# KiCad board dilemma.kicad_pcb (continued)
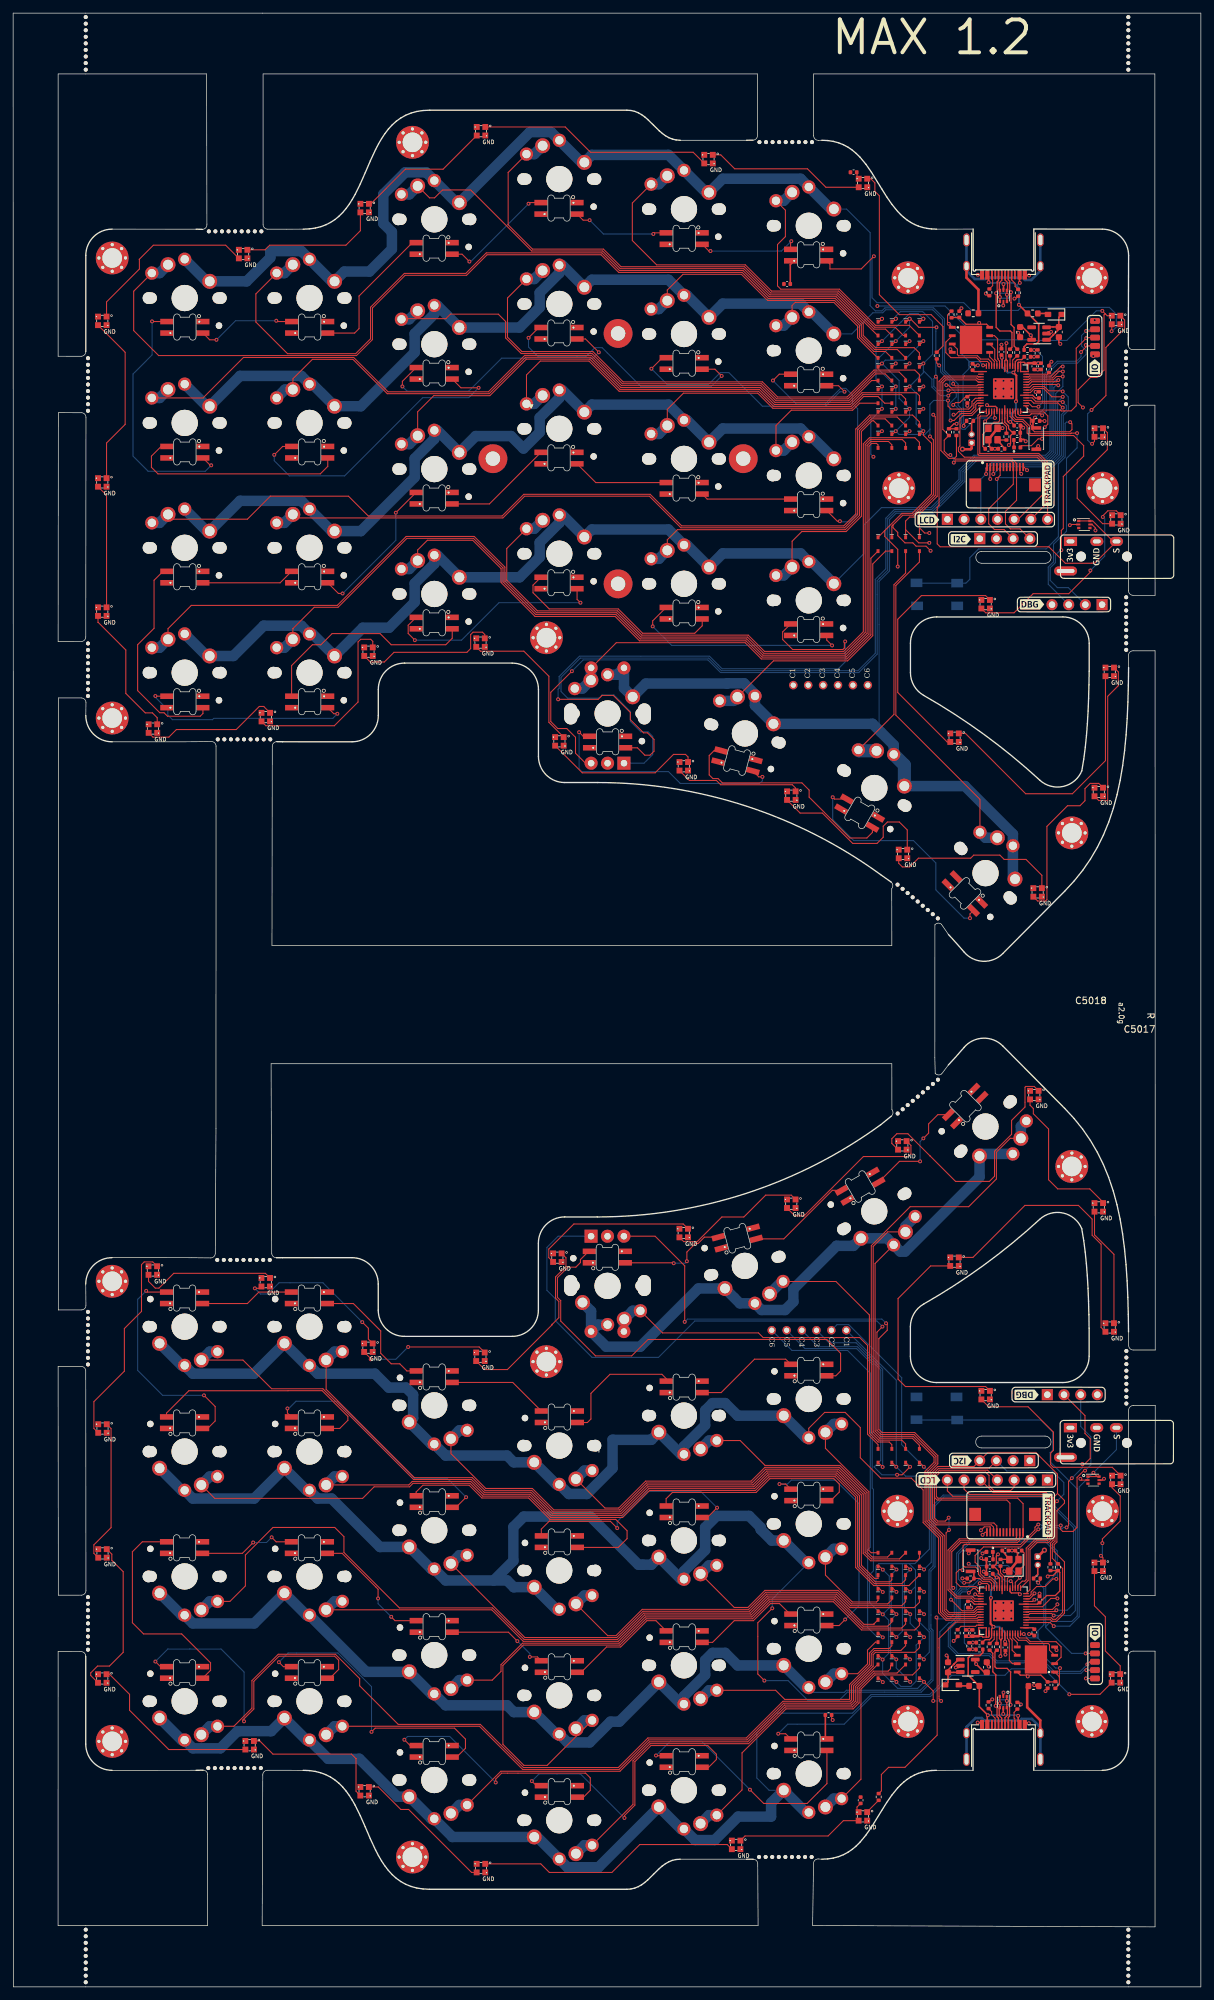
[diagram p0: board, top side]
## Routing (per net, layer and track width the routed paths; a pad name or vN(x,y) marks a point on that pad's centre or on a via; arc(x,y) is an arc through that point) (continued)
  Bottom w2: SW119.1 135.66,185.89 SW119.1
  vias: v1(159.77,245.02)
M_ROW1_L: length 164.4
  Top w0.16: SW5009.1 131.2,110.06 131.2,84.57 132.01,83.76 136.99,83.76 140.18,80.58 140.18,79.81 138.81,78.44 138.81,70.76 141.15,68.42 141.15,57.04 142.12,56.07 146.71,56.07 146.88,56.23 U5002.38
  Bottom w1.6: SW5013.1 89.02,100.76 SW5020.S2 ; SW5042.1 147.42,126.73 SW5042.1 147.1,123.22 135.75,111.87 135.04,111.87 SW5009.1 133.02,113.89 SW5009.1 127.91,112.75 125.34,112.75 118.77,106.18 118.77,104.25 117.5,102.98 113.92,102.98 SW5005.1 110.62,104 SW5005.1 104.3,106.26 95.45,97.4 90.28,97.4 SW5020.S2 ; SW5020.S2 87.97,102.82 SW5013.1
M_ROW2: length 160.7
  Top w0.16: 147.31,243.76 146.89,243.76 146.71,243.59 143.4,243.59 v1(143.09,243.9)
  Bottom w0.16: v1(143.09,243.9) 143.09,244.21 141.46,245.84 141.46,253.68 139.97,255.17 132.83,255.17 132.37,254.71 130.87,254.71 127.65,251.49 SW115.1
  Bottom w1.6: SW115.1 121.56,254.85 SW115.1 119.86,256.1 108.01,256.1 SW112.1 102.56,257.38 SW112.1 99.76,259.74 88.09,259.74 SW107.1 83.59,261.95 SW107.1 83.14,260.75 80.15,257.75 80.15,255.52 77.09,252.47 SW104.1 64.56,255.83 SW104.1 64.11,254.52 61.12,251.53 61.12,248.69 52.93,240.49 SW101.1 45.56,243.85 SW101.1 43.86,245.1 34.53,245.1 SW5029.1 29.47,240.49 SW5029.1
M_ROW2_L: length 216.4
  Top w0.16: U5002.6 154.59,56.63 154.77,56.81 158.08,56.81 v1(158.39,56.5)
  Bottom w0.16: v1(158.39,56.5) 160.94,56.5 161.69,57.25 161.69,70 156.85,74.83 141.58,74.83 140.04,73.3 140.04,64.04 139.41,63.41 139.41,54.44 139.74,54.12 139.74,46.77 138.09,45.13 126.85,45.13 126.52,44.8 121.85,44.8 SW5017.1
  Bottom w1.6: SW5032.1 25.65,56.55 SW5032.1 27.35,55.3 36.68,55.3 SW5002.1 44.65,56.55 SW5002.1 53.72,47.93 SW5006.1 63.65,44.57 SW5006.1 65.84,42.84 75.18,42.84 76.21,41.81 SW5010.1 82.68,38.45 SW5010.1 84.38,37.2 87.77,37.2 90.92,40.35 92.26,40.35 SW5014.1 101.65,43.02 SW5014.1 102.1,44.23 105.33,47.46 105.33,49.69 106.46,50.81 108.39,50.81 110.29,48.91 SW5017.1 120.65,45.55 SW5017.1
M_ROW3: length 179
  Top w0.16: v1(142.05,243.7) 142.35,243.7 142.75,243.3 147.24,243.3 147.31,243.36
  In2.Cu w0.16: v1(142.05,243.7) 142.05,248.7 139.75,251 139.75,251.22 137.15,253.82 137.15,254.3 136.45,255 132.35,255 130.95,253.6 130.95,235.9 127.54,232.49 SW116.1
  Bottom w1.6: SW116.1 121.56,235.85 SW116.1 119.86,237.1 108.01,237.1 SW113.1 102.56,238.38 SW113.1 99.76,240.74 88.09,240.74 SW108.1 83.59,242.95 SW108.1 83.14,241.75 80.15,238.75 80.15,236.52 77.68,234.06 75.79,235.95 70.41,235.95 SW105.1 64.56,236.83 SW105.1 64.11,235.52 61.12,232.53 61.12,229.69 52.93,221.49 SW102.1 48.47,221.49 SW102.1 43.86,226.1 34.53,226.1 SW5030.1 29.47,221.49 SW5030.1
M_ROW3_L: length 262.9
  Top w0.16: v1(114.35,46.6) 113.35,47.6 113.35,55.4 v1(115.55,57.6) ; U5002.7 154.58,57.03 154.64,57.1 158.59,57.1 v1(158.79,57.3)
  Bottom w0.16: v1(115.55,57.6) 115.55,58.99 SW5018.1 ; v1(158.79,57.3) 160.44,57.3 161.4,58.26 161.4,69.88 156.74,74.54 141.69,74.54 140.33,73.18 140.33,63.92 139.7,63.29 139.7,54.56 140.02,54.24 140.02,46.65 138.21,44.84 126.97,44.84 125.73,43.6 120.95,43.6 117.95,46.6 v1(114.35,46.6)
  Bottom w1.6: SW5011.1 82.68,57.45 SW5011.1 76.21,60.81 75.18,61.84 73.16,61.84 ; SW5018.1 120.65,64.55 SW5018.1 115.47,67.91 113.79,69.58 113.79,69.89 112.04,71.65 107.09,71.65 105.33,69.89 105.33,66.46 102.1,63.23 SW5015.1 101.65,62.02 SW5015.1 97.15,64.24 95.18,64.24 87.87,71.55 77.72,71.55 76.15,69.97 76.15,64.82 73.16,61.84 ; 73.16,61.84 65.84,61.84 SW5007.1 63.65,63.57 SW5007.1 55.84,66.93 48.47,74.3 46.35,74.3 SW5003.1 44.65,75.55 SW5003.1 36.68,74.3 27.35,74.3 SW5033.1 25.65,75.55 SW5033.1
M_ROW4: length 191.5
  Top w0.16: 159.77,245.81 159.2,245.81 158.18,244.79 154.81,244.79 154.59,244.56 U1.39
  Bottom w0.16: SW117.1 129.5,218.07 129.5,222.4 132.17,225.07 139.68,225.07 143.97,229.36 143.97,230.77 146.24,233.03 157.16,233.03 157.84,233.71 157.84,245.02 158.62,245.81 159.77,245.81
  Bottom w1.6: SW5031.1 29.47,202.49 SW5031.1 33.52,202.49 38.13,207.1 43.86,207.1 SW103.1 45.56,205.85 SW103.1 53.22,206.79 57.22,206.79 61.12,210.69 61.12,213.53 64.11,216.52 SW106.1 64.56,217.83 SW106.1 77.09,214.47 80.15,217.52 80.15,219.75 83.14,222.75 SW109.1 83.59,223.95 SW109.1 88.09,221.74 99.76,221.74 SW114.1 102.56,219.38 SW114.1 108.01,218.1 119.86,218.1 SW117.1 121.56,216.85 SW117.1
  vias: v1(159.78,245.77)
M_ROW4_L: length 184.6
  Top w0.16: SW5019.1 121.1,84.98 123.52,87.4 126.65,87.4 128.95,85.1 128.95,80.5 132.05,77.4 136.72,77.4 138.52,75.6 138.52,70.64 140.86,68.3 140.86,56.92 142,55.78 146.83,55.78 146.88,55.83 U5002.39
  Bottom w1.6: SW5034.1 25.65,94.55 SW5034.1 27.35,93.3 36.68,93.3 SW5004.1 44.65,94.55 SW5004.1 46.35,93.3 55.05,93.3 57.18,91.18 59.8,91.18 60.87,90.1 60.87,86.51 SW5008.1 63.65,82.57 SW5008.1 65.84,80.84 75.18,80.84 76.21,79.81 SW5012.1 82.68,76.45 SW5012.1 84.58,75 87.33,75 91.24,78.91 91.24,83.24 97.15,83.24 SW5016.1 101.65,81.02 SW5016.1 102.1,82.23 105.33,85.46 105.33,87.69 106.46,88.81 108.39,88.81 110.29,86.91 SW5019.1 120.65,83.55 SW5019.1
M_ROW5: length 187.6
  Top w0.16: v1(149.45,238.7) 149.34,238.81 U1.18
  Bottom w0.16: SW5027.1 126.86,270.49 130.45,266.9 130.45,255.8 131.25,255 132.25,255 132.71,255.46 140.09,255.46 141.75,253.8 141.75,245.96 143.85,243.86 143.85,240.6 144.39,240.06 144.39,237.92 144.17,237.7 144.17,237.28 144.47,236.98 144.89,236.98 146.61,238.7 v1(149.45,238.7)
  Bottom w1.6: SW5027.1 124.47,270.49 119.86,275.1 108.01,275.1 SW5026.1 105.47,273.02 99.76,278.74 88.09,278.74 SW5025.1 86.5,277.59 81.89,282.2 78.66,282.2 SW5024.1 67.47,271.47 62.86,276.08 59.68,276.08 56.35,272.75 56.35,268.3 57.65,267 57.65,264.4 54.23,260.98 50.41,260.98 SW5023.1 48.47,259.49 43.86,264.1 39.15,264.1 39.15,263.1 35.54,259.49 SW5028.1 29.47,259.49 SW5028.1
M_ROW5_L: length 192.6
  Top w0.16: U5002.18 152.14,61.43 v1(151.84,61.72)
  Bottom w0.16: v1(151.84,61.72) 151.01,61.72 149.93,62.8 148.08,62.8 147.25,61.97 146.98,61.97 146.12,61.11 145.52,61.11 145.08,60.67 144.23,60.67 143.55,59.99 143.55,56.21 142.73,55.4 142.45,55.4 141.05,54 141.05,46.01 139.52,44.48 130.6,44.48 127.77,41.65 116.2,41.65 113.2,38.65 113.2,31.77 115.07,29.91 SW5039.1
  Bottom w1.6: SW5039.1 120.65,26.55 SW5039.1 115.37,27.98 115.37,25.9 110.35,25.9 106.79,22.34 103.79,22.34 SW5038.1 101.65,24.02 SW5038.1 89.11,18.2 84.38,18.2 SW5037.1 79.77,22.81 SW5037.1 66.87,22.81 SW5036.1 63.65,25.57 SW5036.1 58.47,28.93 52.7,34.7 47.95,34.7 SW5035.1 44.65,37.55 SW5035.1 39.29,38.9 34.15,38.9 31.55,36.3 27.35,36.3 SW5040.1 25.65,37.55 SW5040.1
NCS: length 27.2
  Top w0.16: 154.18,241.76 155.12,241.76 155.64,241.25 159.64,241.25 159.76,241.13 ; J113.3 149.2,231.2 149.2,230.16
  Bottom w0.16: 149.2,230.16 150.32,231.28 157.85,231.28 159.56,232.99 159.56,239.2 160.32,239.97 160.32,240.57 159.76,241.13
  vias: v1(149.2,230.18) v1(159.77,241.13)
NCS_L: length 23.8
  Top w0.16: J5007.3 152.73,68.38 152.51,68.16 144.01,68.16 142.3,66.45 142.3,60.39 143.54,59.15 145.84,59.15 146.36,58.63 U5002.32
QP_CS: length 27.8
  Top w0.16: U1.15 147.48,239.73 146.85,239.1 146.85,233.19 147.02,233.02 156,233.02 157.17,231.86 157.17,225.54 J3.6
QP_CS_L: length 31.4
  Top w0.16: U5002.15 154.49,61.83 154.49,66.63 155.74,67.87 157.44,67.87 157.73,68.17 157.73,74.31 157.12,74.92 145.56,74.92 144.74,75.74 J5004.6
QP_DC: length 33.6
  Top w0.16: U1.14 147.31,240.46 145.95,239.1 144.61,239.1 144.12,238.61 144.12,234.44 143.89,234.21 143.89,233.64 144.79,232.74 146.29,232.74 146.29,232.74 155.88,232.74 156.88,231.74 156.88,227.2 152.97,223.29 J3.5
QP_DC_L: length 29
  Top w0.16: U5002.14 154.78,60.44 154.78,66.51 155.86,67.59 157.56,67.59 158.02,68.05 158.02,74.43 157.23,75.21 149.18,75.21 J5004.5
QP_RST: length 27.1
  Top w0.16: J3.7 157.45,231.98 156.12,233.31 147.14,233.31 147.14,238.89 147.25,239 148.22,239 148.54,239.33 U1.16
QP_RST_L: length 34
  Top w0.16: J5004.7 142.2,75.46 143.03,74.64 157,74.64 157.44,74.19 157.44,68.29 157.32,68.16 155.62,68.16 154.21,66.75 154.21,61.95 153.99,61.73 153.6,61.73 152.94,61.07 U5002.16
RGB: length 58
  Top w0.16: v1(167.2,251.91) 167.23,251.94 D5109.3 ; v1(131.02,263.31) 129.09,261.38 124.33,261.38 124.33,262.12 D5117.3
  Bottom w0.16: v1(131.02,263.31) 130.74,263.03 130.74,256.99 131.48,256.25 144.7,256.25 145.89,255.06 152.96,255.06 153.43,255.53 166.87,255.53 167.92,254.48 167.92,252.55 167.28,251.91 v1(167.2,251.91)
RGB_L: length 59.4
  Top w0.16: D5113.3 165.44,44.51 v1(160.77,44.51) ; D5128.3 117.58,38.52 v1(116.46,38.52)
  Bottom w0.16: v1(116.46,38.52) 117.9,39.96 126.49,39.96 130.72,44.19 139.64,44.19 142.86,47.41 150.96,47.41 151.93,48.38 156.9,48.38 v1(160.77,44.51)
SCL: length 44.5
  Top w0.16: v1(143.18,231.92) 143.42,232.16 151.96,232.16 152.24,231.89 J113.9 152.24,228.63 148.5,224.89 148.5,222.6 149.38,221.72 150.84,221.72 O101.3 ; v1(142.66,233.07) 142.3,233.07 141.73,233.65 141.73,235.33 R104.2 142.44,236.05 141.51,236.98 141.51,244.05 141.97,244.51 146.56,244.51 146.9,244.16 U1.5
  Bottom w0.16: v1(143.18,231.92) 143.18,232.55 v1(142.66,233.07)
SCL_L: length 67.4
  Top w0.16: J5007.9 149.73,70.14 149.29,70.58 140.61,70.58 139.95,71.24 139.95,77.96 140.88,78.89 148.5,78.89 O5001.3 ; v1(158.88,73.9) 158.59,73.61 158.59,67.81 158.18,67.4 158.18,65.22 R5014.2 159.04,64.35 159.74,63.65 159.74,56.97 158.69,55.91 158.26,55.91 158.03,56.15 154.67,56.15 154.59,56.23 U5002.5
  Bottom w0.16: v1(158.88,73.9) 159.93,74.95 159.93,76.74 158.17,78.5 151.23,78.5 O5001.3
SDA: length 47.3
  Top w0.16: U1.4 146.9,244.56 146.67,244.79 144.62,244.79 144.61,244.8 141.85,244.8 141.22,244.17 141.22,233.74 142.41,232.56 143.27,232.56 ; 143.27,232.56 143.39,232.45 152.08,232.45 152.74,231.8 J113.10 152.74,226.19 151.05,224.5 151.05,222.58 151.8,221.83 153.27,221.83 O101.4 ; 143.27,232.56 143.59,232.88 R103.1
SDA_L: length 80.3
  Top w0.16: 158.97,75.07 160.03,74.01 160.03,73.59 158.88,72.44 158.88,67.69 158.47,67.28 158.47,66.22 160.03,64.66 160.03,56.85 158.81,55.63 158.14,55.63 157.91,55.86 154.2,55.86 U5002.4 ; 158.97,75.07 158.97,78.01 155.67,81.31 148.38,81.31 O5001.4 146.25,79.18 140.76,79.18 139.67,78.08 139.67,71.12 140.49,70.29 148.88,70.29 149.23,69.95 J5007.10 ; 158.97,75.07 158.3,74.4 158.3,67.93 157.89,67.52 R5013.1
SERIAL: length 68.5
  Top w0.16: U1.3 146.91,244.96 146.79,245.08 144.83,245.08 144.82,245.08 141.73,245.08 140.94,244.29 140.94,225.38 140.66,225.1 140.66,219.55 141.1,219.11 157.65,219.11 160.16,216.6 164.2,216.6 164.22,216.62 164.64,216.62 J102.R2 167.44,219.93 164.33,223.04 U5005.6 U5005.1
SERIAL_L: length 42.8
  Top w0.16: U5006.1 U5006.6 165.01,77.64 v1(164.43,78.22) ; U5002.3 157.84,55.43 v1(158.4,54.88)
  Bottom w0.16: v1(158.4,54.88) 160.83,54.88 162.26,56.31 162.26,76.06 v1(164.43,78.22) 167.94,81.73 J5003.R2
UNDER_RGB: length 17.1
  Top w0.16: R5016.1 140.58,247.68 140.58,247.08 v1(140.96,246.7) ; U1.13 146.76,240.96 146.53,240.73 146.53,240.09 145.83,239.39 144.29,239.39 143.23,238.33 v1(142.69,238.33)
  Bottom w0.16: v1(140.96,246.7) 141.18,246.48 141.18,245.72 142.58,244.31 142.58,243.5 143.56,242.52 143.56,241.91 142.58,240.93 142.58,238.44 v1(142.69,238.33)
UNDER_RGB_L: length 71.6
  Top w0.16: v1(140.55,56.2) 140.65,56.1 140.65,38.3 135.75,33.4 133.25,33.4 132.16,32.31 132.16,29.82 R5015.1 ; U5002.13 154.72,59.43 154.95,59.67 154.95,60.07 155.79,60.91 157.1,60.91 158.25,62.07 v1(158.79,62.07)
  Bottom w0.16: v1(140.55,56.2) 140.78,55.97 142.5,55.97 143.26,56.74 143.26,60.11 143.62,60.47 143.62,65.96 145.66,68 157.25,68 158.93,66.32 158.93,62.21 v1(158.79,62.07)
Net-(C4-Pad1): length 3.1
  Top w0.2: 151.24,235.35 149.88,235.35
  Top w0.25: Y1.3 C4.1
Net-(C5008-Pad1): length 3.1
  Top w0.2: 150.24,65.04 151.6,65.04
  Top w0.25: Y5001.3 C5008.1
Net-(D1-K): length 1.1
  Top w0.2: 152.33,235.44 152.33,234.34 152.36,234.32
Net-(D2-A): length 1.6
  Top w0.25: F1.2 157.37,254.61 D2.2
Net-(D3-DIN): length 34.7
  Top w0.16: R5016.2 141.55,249.67 141.55,252.6 139.72,254.43 134.88,254.43 131.85,257.46 131.85,272.51 131.17,273.19 131.17,274.48 130.54,275.11 D3.1
Net-(D3-DOUT): length 24.3
  Top w0.16: D3.3 123.71,273.81 120.9,276.62 109.83,276.62 107.71,278.74 D7.1
Net-(D4-DOUT): length 23.1
  Top w0.16: D8.1 81.55,192.4 81.55,199.41 77.74,203.22 71.15,203.22 D4.3
Net-(D11-DIN): length 35.6
  Top w0.16: D7.3 103.51,279.13 87.89,279.13 84.04,282.98 D11.1
Net-(D11-DOUT): length 20.7
  Top w0.16: D15.1 54.44,271.29 59.71,276.56 65.45,276.56 D11.3
Net-(D12-DIN): length 24
  Top w0.16: D12.1 102.73,187.13 102.34,187.52 100.52,187.52 97.72,184.72 86.63,184.72 D8.3
Net-(D12-DOUT): length 19.3
  Top w0.16: D12.3 102.94,183.55 107.05,183.55 107.7,182.9 118.6,182.9 119.1,182.4 D9.1
Net-(D15-DOUT): length 21.2
  Top w0.16: D15.3 52.86,267.2 50.65,264.99 39.05,264.99 38.35,264.29 D5110.1
Net-(D16-DIN): length 26.9
  Top w0.16: D16.1 136.1,176.02 134.89,177.23 133.08,177.23 132.44,176.59 132.44,174.92 131.5,173.98 127.79,173.98 123.18,178.59 119.8,178.59 117.8,180.58 D9.3
Net-(D16-DOUT): length 26.8
  Top w0.16: D19.1 156.59,169.12 154.17,171.54 150.85,171.54 150.2,172.19 146.21,172.19 145.74,171.72 137.8,171.72 136.47,170.4 135.35,170.4 134.8,170.95 D16.3
Net-(D18-DIN): length 27.7
  Top w0.16: D5110.3 34.35,262.99 32.35,264.99 21.34,264.99 19.2,262.85 19.22,262.83 19.22,261.37 14.22,256.37 D18.1
Net-(D18-DOUT): length 26.2
  Top w0.16: D18.3 17.05,248.7 17.05,237.73 14.22,234.9 D5111.1
Net-(D19-DOUT): length 26.2
  Top w0.16: D22.1 165.24,183.11 163.94,183.11 163.15,182.31 163.15,180.47 162.39,179.71 160.5,179.71 157.36,176.57 157.36,165.43 157.14,165.21 155.95,165.21 D19.3
Net-(D21-DIN): length 18.9
  Top w0.16: D21.1 14.22,226.95 D5111.3
Net-(D21-DOUT): length 20.9
  Top w0.16: D24.1 21.93,193.1 21.19,193.84 20.11,193.84 17.15,196.8 17.15,203.4 12.95,207.6 12.92,207.6 D21.3
Net-(D22-DOUT): length 23.4
  Top w0.16: D5138.1 168.23,200.06 168.23,197.98 166.61,196.36 166.61,180.55 166.56,180.49 165.26,180.49 D22.3
Net-(D24-DOUT): length 21.1
  Top w0.16: D24.3 21.29,190.14 23.69,190.14 24.85,191.3 33.95,191.3 37.46,194.81 38.15,194.81 38.15,194.8 D5112.1
Net-(D25-DIN): length 32.3
  Top w0.16: D25.1 167.92,224.58 166.62,224.58 165.87,223.83 v1(165.87,223.64) ; D5140.3 148.04,209.06 152.35,209.06 155.26,211.97 160.68,211.97 163.97,215.26 v1(163.97,215.5)
  Bottom w0.16: v1(165.87,223.64) 166.16,223.35 166.16,217.69 v1(163.97,215.5)
Net-(D25-DOUT): length 19.7
  Top w0.16: D28.1 166.56,236.48 166.56,233.89 161.97,229.3 161.97,226.49 165.84,222.62 D25.3
Net-(D27-DIN): length 29.1
  Top w0.16: D5112.3 38.47,191.88 48.89,191.88 52.5,195.49 52.5,204.63 52.9,205.03 54.43,205.03 54.74,204.72 D27.1
Net-(D27-DOUT): length 22.6
  Top w0.16: D4.1 71.79,205.76 71.44,206.11 70,206.11 69.64,205.75 69.64,203.62 69.07,203.05 57.97,203.05 56.5,201.58 54.36,201.58 D27.3
Net-(D28-DOUT): length 23.7
  Top w0.16: D5109.1 169.19,253.61 169.19,252.31 166.7,249.82 166.7,249.8 166.34,249.44 166.34,242.12 v1(164.15,239.93) ; v1(164.23,234.77) 164.6,235.14 D28.3
  Bottom w0.16: v1(164.23,234.77) 164.12,234.77 163.55,235.34 163.55,239.33 v1(164.15,239.93)
Net-(D112-A): length 54.4
  Top w0.16: D112.2 132.73,238.57 130.62,238.57 128.84,236.78 128.84,223.88 126.67,221.71 101.11,221.71 99.57,220.17 SW114.2
  Bottom w1.6: SW114.2 98.29,217.28 SW114.2
Net-(D115-A): length 35.5
  Top w0.16: D115.2 131.65,237.6 130.97,238.28 130.74,238.28 129.12,236.66 129.12,223.76 126.79,221.43 120.05,221.43 118.57,219.95 SW117.2
  Bottom w1.6: SW117.2 117.29,214.75 SW117.2
Net-(D5001-K): length 1.1
  Top w0.2: 149.12,66.08 149.15,66.05 149.15,64.96
Net-(D5002-A): length 96.2
  Top w0.16: D5002.2 133.75,55.5 133.12,54.87 129.39,54.87 125.09,59.17 114.91,59.17 112.31,56.57 96.11,56.57 92.11,52.57 77.65,52.57 72.86,57.37 SW5002.2
  Bottom w1.6: SW5002.2 48.92,58.65 SW5002.2
Net-(D5003-A): length 115.3
  Top w0.16: SW5004.2 47.64,90.91 61.08,77.47 69.89,77.47 71.82,75.54 78.92,75.54 82.19,72.27 92.41,72.27 96.51,76.37 112.61,76.37 114.71,78.47 125.49,78.47 129.11,74.85 129.11,64.16 131.12,62.14 131.65,62.14 D5003.2
  Bottom w1.6: SW5004.2 48.92,96.65 SW5004.2
Net-(D5004-A): length 1.6
  Top w0.25: D5004.2 144.11,45.79 F5001.2
Net-(D5005-A): length 78.1
  Top w0.16: SW5006.2 72.93,46.67 74.26,48 74.26,49.02 77.53,52.29 92.23,52.29 96.23,56.29 112.43,56.29 115.03,58.89 124.97,58.89 129.27,54.59 135.24,54.59 135.85,55.2 D5005.2
  Bottom w1.6: SW5006.2 67.92,46.67 SW5006.2
Net-(D5006-A): length 94.7
  Top w0.16: D5006.2 137.95,65.2 137.58,64.83 130.53,64.83 129.4,65.96 129.4,74.97 125.61,78.76 114.55,78.76 112.45,76.66 96.39,76.66 92.29,72.56 82.31,72.56 79.04,75.83 71.94,75.83 66.64,81.12 SW5008.2
  Bottom w1.6: SW5008.2 67.92,84.67 SW5008.2
Net-(D5007-A): length 103.1
  Top w0.16: D5007.2 137.95,55 137.25,54.3 129.15,54.3 124.85,58.6 115.15,58.6 112.55,56 96.35,56 92.35,52 77.65,52 74.55,48.9 74.55,36.9 77.75,33.7 81.28,33.7 SW5010.2
  Bottom w1.6: SW5010.2 86.95,40.55 SW5010.2
Net-(D5008-A): length 69
  Top w0.16: SW5012.2 90.09,72.85 92.17,72.85 96.27,76.95 112.33,76.95 114.43,79.05 125.73,79.05 129.69,75.09 129.69,66.08 130.65,65.11 134.91,65.11 D5008.2
  Bottom w1.6: SW5012.2 86.95,78.55 SW5012.2
Net-(D5009-A): length 42.5
  Top w0.16: D5009.2 133.1,65.4 130.77,65.4 129.97,66.2 129.97,75.21 125.84,79.33 114.45,79.33 110.66,83.12 SW5016.2
  Bottom w1.6: SW5016.2 105.92,83.12 SW5016.2
Net-(D5010-A): length 36.5
  Top w0.16: D5010.2 133.75,51.9 133.32,51.47 131.02,51.47 130.33,50.78 130.33,49.02 127.33,46.01 127.33,43.79 127.27,43.73 117.45,43.73 116.06,45.12 SW5014.2
  Bottom w1.6: SW5014.2 105.92,45.12 SW5014.2
Net-(D5011-A): length 25.2
  Top w0.16: D5011.2 130.61,66.05 130.26,66.4 130.26,75.33 123.64,81.94 SW5019.2
  Bottom w1.6: SW5019.2 124.92,85.65 SW5019.2
Net-(D5012-A): length 11.8
  Top w0.16: SW5017.2 128.55,47.65 130.04,49.14 130.04,51.23 131.26,52.45 D5012.2
  Bottom w1.6: SW5017.2 124.92,47.65 SW5017.2
Net-(D5013-DIN): length 2.5
  Top w0.16: D5013.1 130,26.64 R5015.2
Net-(D5013-DOUT): length 19.3
  Top w0.16: D5013.3 126.38,25.29 124.05,22.96 111.41,22.96 D5016.1
Net-(D5014-DIN): length 20
  Top w0.16: v1(54.43,95.49) 54.43,95.6 D5028.3 ; D5014.1 70.94,97.36 v1(60.12,97.36)
  Bottom w0.16: v1(54.43,95.49) 58.25,95.49 v1(60.12,97.36)
Net-(D5014-DOUT): length 27.4
  Top w0.16: D5017.1 84.15,110.94 84.15,109.6 82.56,108.02 82.56,104.78 83.06,104.28 83.06,101.81 82.05,100.8 82.02,100.8 82.02,100.71 75.23,93.92 71.78,93.92 D5014.3
Net-(D5015-A): length 52.6
  Top w0.16: D5015.2 137.95,216.8 134.36,213.21 134.36,193.49 147.16,180.69 SW5041.2
  Bottom w1.6: SW5041.2 148,174.84 SW5041.2
Net-(D5016-DOUT): length 40.1
  Top w0.16: D5016.3 108.69,21.66 95.39,21.66 91.14,17.41 81.62,17.41 80.31,18.72 D5018.1
Net-(D5017-DOUT): length 25.3
  Top w0.16: D5019.1 101.99,116.07 85.35,116.07 81.53,112.26 81.53,110.96 D5017.3
Net-(D5018-DOUT): length 21.8
  Top w0.16: D5018.3 69.77,17.42 60.2,26.99 59.01,26.99 55.59,30.41 D5020.1
Net-(D5019-DOUT): length 21.1
  Top w0.16: D5021.1 118.44,120.46 114.55,120.46 111.22,117.13 107.87,117.13 104.13,113.38 102.08,113.38 D5019.3
Net-(D5020-DOUT): length 22.7
  Top w0.16: 52.23,34.68 52.13,34.78 ; 52.13,34.78 52.19,34.72 52.19,29.77 D5020.3 ; 52.13,34.78 51.5,35.41 39.55,35.41 37.55,37.41 D5114.1
Net-(D5021-DOUT): length 25.5
  Top w0.16: D5021.3 119,117.3 120.4,117.3 129.43,126.34 136.27,126.34 136.66,126.72 136.66,128.02 D5023.1
Net-(D5022-DIN): length 27.3
  Top w0.16: D5022.1 14.66,47.57 17.72,44.51 17.72,42.08 23.69,36.11 D5114.3
Net-(D5022-DOUT): length 24.9
  Top w0.16: D5115.1 15.02,65.83 15.02,64.9 16.75,63.17 16.75,50.9 14.66,48.81 12.84,48.81 11.81,47.77 11.81,47.38 D5022.3
Net-(D5023-DOUT): length 39.2
  Top w0.16: D5025.1 155.42,137 154.15,137 154.02,136.87 154.02,133.87 151.98,131.83 151.98,129.72 149.38,127.12 149.38,123.33 148.6,122.55 143.45,122.55 139.58,126.42 139.57,126.42 136.19,129.8 134.51,129.8 133.75,129.04 133.75,128.33 D5023.3
Net-(D5024-DIN): length 31.7
  Top w0.16: D5024.1 21.25,110.3 19.95,110.3 19.54,109.88 19.54,102.77 16.93,100.16 16.93,93.68 12.29,89.04 12.29,84.96 D5116.3
Net-(D5024-DOUT): length 21.1
  Top w0.16: D5026.1 38.4,108.56 24.44,108.56 22.19,106.31 21.64,106.31 20.61,107.34 D5024.3
Net-(D5025-DOUT): length 23.1
  Top w0.16: D5027.1 165.9,119.39 163.88,121.41 159,121.41 157.61,122.8 157.61,130.52 155.29,132.84 155.29,133.64 154.79,134.14 154.79,134.9
Net-(D5026-DOUT): length 24.9
  Top w0.16: D5026.3 37.52,106.28 v1(36.79,106.28) ; D5028.1 54.07,98.56 54.07,100.21 v1(53.14,101.14)
  Bottom w0.16: v1(36.79,106.28) 37.65,105.42 38.77,105.42 40.48,107.13 47.15,107.13 v1(53.14,101.14)
Net-(D5027-DOUT): length 18.2
  Top w0.16: D5027.3 164.6,114.41 167.56,111.45 D5141.1
Net-(D5029-DIN): length 29.5
  Top w0.16: D5143.3 148.5,88.26 154.49,88.26 158.35,84.4 158.35,81.63 157.93,81.21 157.93,79.45 158.33,79.05 167.3,79.05 D5029.1
Net-(D5029-DOUT): length 13.8
  Top w0.16: v1(165.8,67.51) 165.8,68.15 168.52,70.87 168.52,74.7 167.27,75.95 D5029.3 ; D5030.1 165.89,65.27 v1(165.58,65.58)
  Bottom w0.16: v1(165.8,67.51) 165.8,65.8 v1(165.58,65.58)
Net-(D5030-DOUT): length 17.3
  Top w0.16: D5113.1 168.51,48.84 166.25,51.1 166.25,56.31 164.59,57.97 D5030.3
Net-(D5031-DIN): length 40.2
  Top w0.16: v1(126.55,242.7) 125.63,243.61 D5031.3 ; D5034.1 98.82,247.88 v1(97.15,246.2)
  Bottom w0.16: v1(126.55,242.7) 125.85,242.7 123.65,240.5 114.05,240.5 108.94,245.61 107.64,245.61 105.82,243.79 99.56,243.79 v1(97.15,246.2)
Net-(D5031-DOUT): length 42.4
  Top w0.16: D5031.1 116.62,245.36 v1(115.65,244.4) ; 123.84,224.62 125.45,223 v1(125.85,223)
  Bottom w0.16: v1(115.65,244.4) 119.26,240.79 123.53,240.79 125.95,243.21 126.76,243.21 127.75,242.22 127.75,240.9 128.55,240.1 128.55,224.2 127.25,222.9 125.95,222.9 v1(125.85,223)
Net-(D5032-DIN): length 13.8
  Top w0.16: 118.34,226.37 105.65,226.37 D5032.3
Net-(D5032-DOUT): length 14.7
  Top w0.16: D5046.3 88.69,228.88 D5032.1
Net-(D5033-DIN): length 35.7
  Top w0.16: D5048.1 106.71,188.1 105.95,187.34 105.95,184.4 106.51,183.84 107.3,183.84 107.95,183.19 120.06,183.19 121.16,182.09 121.16,181.01 127.38,174.8 129.95,174.8 130.79,175.64 D5033.3
Net-(D5033-DOUT): length 36.6
  Top w0.16: v1(145.65,162.6) 145.65,163.24 D5127.3 ; v1(124.75,181) 125.03,180.72 D5033.1
  Bottom w0.16: v1(145.65,162.6) 144.75,162.6 140.45,166.9 140.45,171 137.05,174.4 127.95,174.4 124.75,177.6 v1(124.75,181)
Net-(D5034-DIN): length 41
  Top w0.16: v1(78.45,250.9) 80.03,252.47 D5036.1 ; 104.89,246.12 106.82,246.12 v1(107.85,245.1)
  Bottom w0.16: v1(107.85,245.1) 106.25,243.5 95.55,243.5 89.65,249.4 88.55,249.4 87.24,248.09 79.86,248.09 78.45,249.5 v1(78.45,250.9)
Net-(D5036-DIN): length 40.5
  Top w0.16: D5038.1 59.25,244.29 v1(59.25,243.5) ; v1(89.15,248.7) 87.12,250.72 D5036.3
  Bottom w0.16: v1(89.15,248.7) 88.25,247.8 74.35,247.8 69.35,242.8 59.95,242.8 v1(59.25,243.5)
Net-(D5037-DIN): length 34.1
  Top w0.16: v1(124.65,204.1) 123.84,204.91 123.84,205.62 ; v1(97.35,207) 97.35,207.84 D5039.1
  Bottom w0.16: v1(97.35,207) 100.25,204.1 v1(124.65,204.1)
Net-(D5037-DOUT): length 91.8
  Top w0.16: v1(126.65,204.7) 126.53,204.58 126.53,203.7 126.3,203.47 118.65,203.47 117.13,204.99 117.13,206.16 D5037.1 ; D5047.3 95.03,188.52 96.15,187.4 96.95,187.4 97.55,188 97.55,189.8 96.55,190.8 95.95,190.8 93.95,192.8 93.95,193.9 91.35,196.5 89.65,196.5 89.05,195.9 v1(82.95,195.9)
  Bottom w0.16: v1(82.95,195.9) 82.95,197.44 83.11,197.6 83.11,199.36 86.21,202.46 106,202.46 107.91,200.55 125.6,200.55 126.65,201.6 v1(126.65,204.7)
Net-(D5038-DIN): length 46.2
  Top w0.16: 66.84,244.62 68.16,243.3 v1(70.85,243.3) ; D5040.1 41.03,234.38 v1(39.75,233.1)
  Bottom w0.16: v1(70.85,243.3) 69.35,241.8 62.35,241.8 50.45,229.9 42.05,229.9 39.75,232.2 v1(39.75,233.1)
Net-(D5039-DIN): length 32.7
  Top w0.16: D5039.3 104.89,207.09 103.75,205.95 95.81,205.95 92.11,209.65 81.6,209.65 79.13,212.12 79.13,213.27 80.34,214.47
Net-(D5040-DIN): length 33.7
  Top w0.16: 47.89,232.62 47.89,231.34 46.75,230.2 22.05,230.2 21.05,231.2 21.05,232.9 22.53,234.38 D5123.1
Net-(D5041-DIN): length 34.3
  Top w0.16: D5041.3 85.84,211.11 v1(86.35,210.6) ; D5043.1 60.13,207.17 60.13,205.92 v1(61.15,204.9)
  Bottom w0.16: v1(61.15,204.9) 68.25,204.9 73.95,210.6 v1(86.35,210.6)
Net-(D5042-DIN): length 22.9
  Top w0.16: D5042.3 49.51,212 v1(50.15,212) ; D5044.1 61.33,227.38 v1(58.25,224.29)
  Bottom w0.16: v1(50.15,212) 58.25,220.1 v1(58.25,224.29)
Net-(D5042-DOUT): length 14.2
  Top w0.16: D5124.3 40.64,213.62 D5042.1
Net-(D5043-DIN): length 33.7
  Top w0.16: D5045.1 42.39,201.04 45.55,204.2 46.85,204.2 48.55,205.9 55.85,205.9 57.55,204.2 65.85,204.2 66.84,205.19 D5043.3
Net-(D5044-DIN): length 16.8
  Top w0.16: D5046.1 72.49,225.62 D5044.3
Net-(D5045-DIN): length 33.7
  Top w0.16: D5125.1 21.67,196.38 v1(21.65,196.4) ; D5045.3 48.81,193.7 v1(49.35,193.7)
  Bottom w0.16: v1(49.35,193.7) 48.65,193 30.55,193 30.35,192.8 24.25,192.8 23.55,193.5 23.55,194.3 21.65,196.2 v1(21.65,196.4)
Net-(D5047-DOUT): length 38.8
  Top w0.16: v1(86.15,190.9) 86.78,190.27 87.74,190.27 ; v1(114.05,184.1) 113.5,184.1 D5048.3
  Bottom w0.16: v1(86.15,190.9) 86.15,185.3 86.55,184.9 99.75,184.9 101.55,183.1 113.65,183.1 114.05,183.5 v1(114.05,184.1)
